# Altium PCB TestingPowerBoard.PcbDoc (continued)
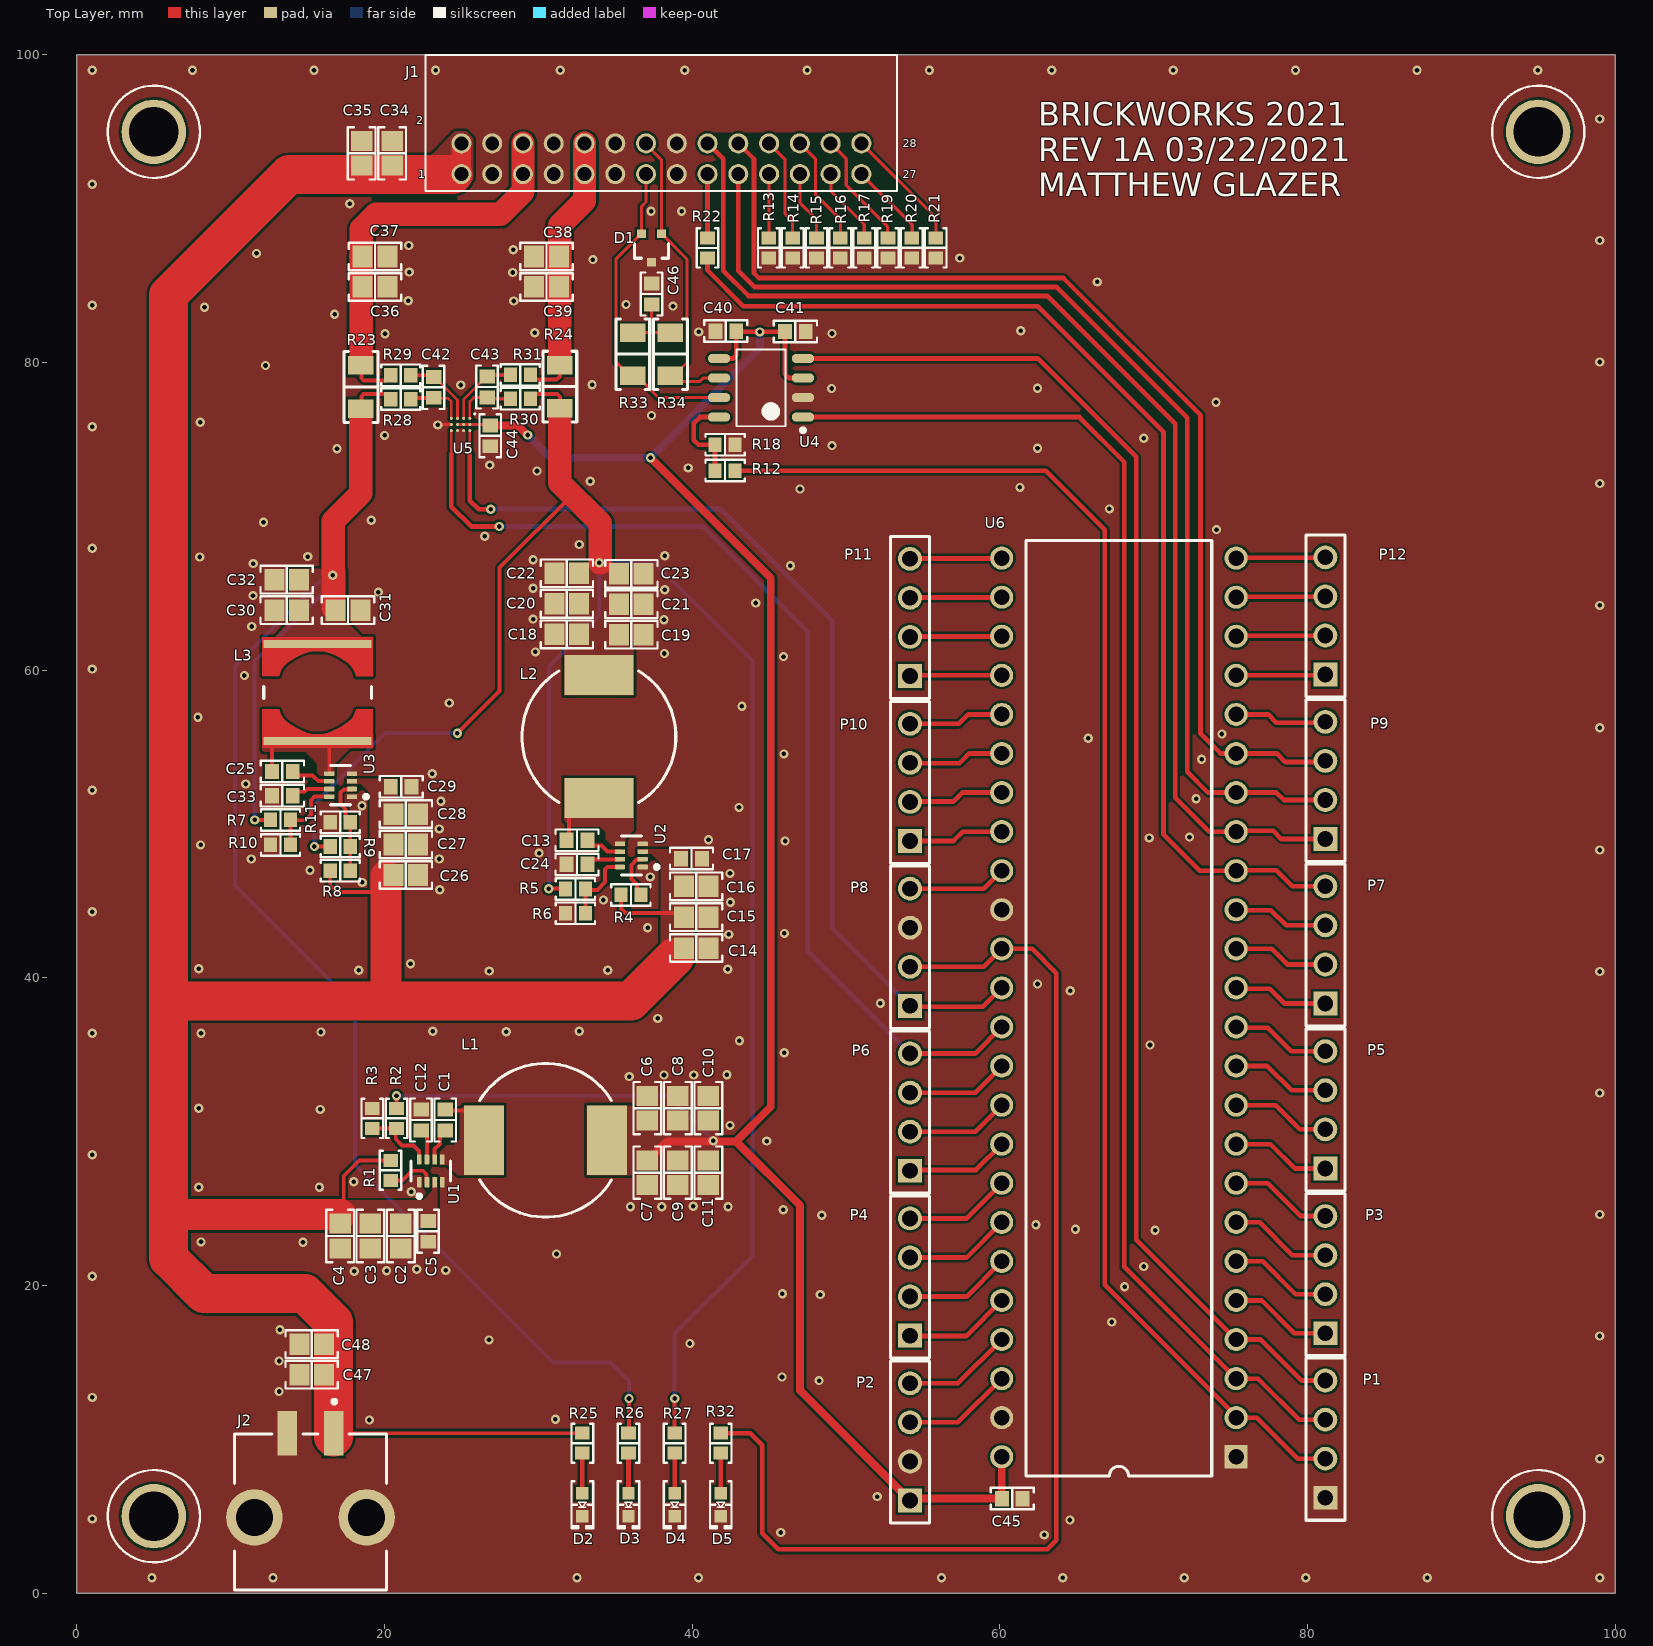
[diagram p0: Top Layer view]
## Footprints (in the part's own frame and the unit in brackets; to place one, negate y for a bottom-side part, rotate by r counter-clockwise, add the part's x,y. Pads: shape width x height; smd on the part's side, far side on the other; paste and mask are expansions set on the pad) (continued)
  silkscreen extent -1.27,-0.7 1.27,0.7, body extent -0.8,-0.4 0.8,0.4, height 0.45
"RES 1206_3216" [mm] "Chip Resistor, 2-Leads, Body 3.13x1.55mm, IPC Medium Density"
  rect 1.2x1.65 smd: 1(-1.4,0) 2(1.4,0)
  silkscreen extent -2.3,-1.1 2.3,1.1, body extent -1.6,-0.8 1.6,0.8, height 0.6
SMTC-TSW-104-08-X-S [mm] ".025 SQ Post Terminal Strip Assembly, 1x4 Pins, Vertical, 2.54mm Pitch, Male"
  rect 1.55x1.55 hole 1.02: 1(0,0)
  round 1.55 hole 1.02: 2(2.54,0) 3(5.08,0) 4(7.62,0)
  silkscreen extent -1.46,-1.27 9.08,1.27, body extent -1.27,-1.27 8.89,1.27, height 8.38
"TAIYO YUDEN NR1005" [mm] "Power Inductor, 2-Leads,Taiyo Yuden, NR10050T100M"
  rect 2.6x4.5 smd: 1(-4,0) 2(4,0)
  silkscreen extent -4.28,-5 4.28,5, body extent -4.9,-5 4.9,5, height 5

## Part data
C1 C5 C13 C17 C25 C29 C44 C45: library part CL10B104KB8NNWC, "CAP CER 0.1UF 50V X7R 0603", Device Package="0603 (1608 Metric)", Manufacturer="Samsung Electro-Mechanics", Operating Temperature="-55°C ~ 125°C", Supplier Part Number 1=1276-1935-1-ND, Temperature Coefficient=X7R, Tolerance=±10%, Voltage - Rated=50V, Applications="General Purpose", Capacitance="0.1 µF", ComponentLink1Description=Datasheet, ComponentLink1URL=http://www.samsungsem.com/kr/support/product-search/mlcc/CL10B104KB8NNWC.jsp, ComponentLink2Description="DigiKey Link", ComponentLink2URL=https://www.digikey.com/en/products/detail/samsung-electro-mechanics/CL10B104KB8NNWC/3887593, LastUpdated="3/8/2022 9:16:52 PM", Lifecycle Status=Active, Minimum Order=1, Mounting Type="Surface Mount, MLCC", Package / Case="0603 (1608 Metric)", Packaging=CutTape, Part Number=CL10B104KB8NNWC, Part Status=Active, PartId=16078, Price=0.01, Series=CL, Size / Dimension="0.063\" L x 0.031\" W (1.60mm x 0.80mm)", Supplier 1=DigiKey, Thickness (Max)="0.035\" (0.90mm)"
C2 C3 C4 C6 C7 C8 C9 C10 C11 C14 C15 C16 C18 C19 C20 C21 C22 C23 C26 C27 C28 C30 C31 C32 C34 C35 C36 C37 C38 C39 C47 C48: library part CC0805KKX5R7BB106, "CAP CER 10UF 16V X5R 0805", Device Package="0805 (2012 Metric)", Manufacturer=Yageo, Operating Temperature="-55°C ~ 85°C", Supplier Part Number 1=311-1865-1-ND, Temperature Coefficient=X5R, Tolerance=±10%, Voltage - Rated=16V, Applications="General Purpose", Capacitance=10µF, ComponentLink1Description=Datasheet, ComponentLink1URL=https://www.yageo.com/upload/media/product/productsearch/datasheet/mlcc/UPY-GPHC_X5R_4V-to-50V_25.pdf, ComponentLink2Description="DigiKey Link", ComponentLink2URL=http://digikey.com/product-detail/en/yageo/CC0805KKX5R7BB106/311-1865-1-ND/5195767, LastUpdated="9/2/2020 1:04:30 AM", Lifecycle Status=Active, Minimum Order=1, Mounting Type="Surface Mount, MLCC", Package / Case="0805 (2012 Metric)", Packaging=TapeAndReel, Part Number=CC0805KKX5R7BB106, Part Status=Active, PartId=8867, Price=0.09, Series=CC, Size / Dimension="0.079\" L x 0.049\" W (2.00mm x 1.25mm)", Supplier 1=DigiKey, Thickness (Max)="0.057\" (1.45mm)"
C12 C24 C33: library part CC0603KRX7R8BB683, "CAP CER 0.068UF 25V X7R 0603", Device Package="0603 (1608 Metric)", Manufacturer=Yageo, Operating Temperature="-55°C ~ 125°C", Supplier Part Number 1=311-4091-1-ND, Temperature Coefficient=X7R, Tolerance=±10%, Voltage - Rated=25V, Applications="General Purpose", Capacitance="0.068 µF", ComponentLink1Description=Datasheet, ComponentLink1URL=https://www.yageo.com/upload/media/product/productsearch/datasheet/mlcc/UPY-GPHC_X7R_6.3V-to-50V_18.pdf, ComponentLink2Description="DigiKey Link", ComponentLink2URL=https://www.digikey.com/en/products/detail/yageo/CC0603KRX7R8BB683/5883792, LastUpdated="3/17/2022 8:26:41 AM", Lifecycle Status=Active, Minimum Order=1, Mounting Type="Surface Mount, MLCC", Package / Case="0603 (1608 Metric)", Packaging=TapeAndReel, Part Number=CC0603KRX7R8BB683, Part Status=Active, PartId=13821, Price=0.01, Series=CC, Size / Dimension="0.063\" L x 0.031\" W (1.60mm x 0.80mm)", Supplier 1=DigiKey, Thickness (Max)="0.035\" (0.90mm)"
C40 C41 C42 C43: library part CL10B104KA8WPNC, "CAP CER 0.1UF 25V X7R 0603", Device Package="0603 (1608 Metric)", Manufacturer="Samsung Electro-Mechanics", Operating Temperature="-55°C ~ 125°C", Ratings=AEC-Q200, Supplier Part Number 1=1276-6717-1-ND, Temperature Coefficient=X7R, Tolerance=±10%, Voltage - Rated=25V, Applications=Automotive, Capacitance=0.1µF, ComponentLink1Description=Datasheet, ComponentLink1URL=http://www.samsungsem.com/kr/support/product-search/mlcc/CL10B104KA8WPNC.jsp, ComponentLink2Description="DigiKey Link", ComponentLink2URL=http://digikey.com/product-detail/en/samsung-electro-mechanics/CL10B104KA8WPNC/1276-6717-1-ND/5961576, Features="Open Mode", LastUpdated="9/2/2020 1:03:30 AM", Lifecycle Status=Active, Minimum Order=1, Mounting Type="Surface Mount, MLCC", Package / Case="0603 (1608 Metric)", Packaging=TapeAndReel, Part Number=CL10B104KA8WPNC, Part Status=Active, PartId=5631, Price=0.02, Series=CL, Size / Dimension="0.063\" L x 0.031\" W (1.60mm x 0.80mm)", Supplier 1=DigiKey, Thickness (Max)="0.035\" (0.90mm)"
C46: library part VJ0603Y472KXACW1BC, "CAP CER 4700PF 50V X7R 0603", Device Package="0603 (1608 Metric)", Manufacturer="Vishay Vitramon", Operating Temperature="-55°C ~ 125°C", Supplier Part Number 1=720-1530-1-ND, Temperature Coefficient=X7R, Tolerance=±10%, Voltage - Rated=50V, Applications="General Purpose", Capacitance=4700pF, ComponentLink1Description=Datasheet, ComponentLink1URL=https://www.vishay.com/docs/28548/vjw1bcbascomseries.pdf, ComponentLink2Description="DigiKey Link", ComponentLink2URL=http://digikey.com/product-detail/en/vishay-vitramon/VJ0603Y472KXACW1BC/720-1530-1-ND/421007, LastUpdated="9/2/2020 1:03:13 AM", Lifecycle Status=Active, Minimum Order=1, Mounting Type="Surface Mount, MLCC", Package / Case="0603 (1608 Metric)", Packaging=TapeAndReel, Part Number=VJ0603Y472KXACW1BC, Part Status=Active, PartId=14247, Price=0.01, Series=VJ, Size / Dimension="0.063\" L x 0.031\" W (1.60mm x 0.80mm)", Supplier 1=DigiKey, Thickness (Max)="0.035\" (0.90mm)"
D1: library part CMP-14436-000006-1, "TVS DIODE 24V 50V SC70-3"
D2 D3 D4 D5: library part LTST-C193KGKT-5A, "LED GREEN CLEAR CHIP SMD", Current - Test=5mA, Device Package="0603 (1608 Metric)", Lens Color=Colorless, Manufacturer="Lite-On Inc.", Millicandela Rating=16.25mcd, Supplier Device Package="Chip LED", Supplier Part Number 1=160-1828-1-ND, Voltage - Forward (Vf) (Typ)=2V, Color=Green, ComponentLink1Description=Datasheet, ComponentLink1URL=http://optoelectronics.liteon.com/upload/download/DS22-2007-0094/LTST-C193KGKT-5A.PDF, ComponentLink2Description="DigiKey Link", ComponentLink2URL=http://digikey.com/product-detail/en/lite-on-inc/LTST-C193KGKT-5A/160-1828-1-ND/2356247, Configuration=Standard, Height (Max)=0.45mm, LastUpdated="9/2/2020 1:20:41 AM", Lens Size="1.15mm x 0.80mm", Lens Style="Rectangle with Flat Top", Lens Transparency=Clear, Lifecycle Status=Active, Minimum Order=1, Mounting Type="Surface Mount", Package / Case="0603 (1608 Metric)", Packaging=TapeAndReel, Part Number=LTST-C193KGKT-5A, Part Status=Active, PartId=694, Price=0.06, Series=-, Size / Dimension="1.60mm L x 0.80mm W", Supplier 1=DigiKey, Viewing Angle=130°, Wavelength - Dominant=572nm, Wavelength - Peak=574nm
J1: Supplier Part Number 1=WM20552-ND, Supplier 1=Digi-Key
J2: library part CMP-04776-000082-1, "CONN HEADER SMD R/A 2POS 3MM", Current Rating=8.5A, Manufacturer=Molex, Temperature="-40°C to +105°C", Temperature Range High=+105°C, Temperature Range Low=-40°C, Voltage Rating=600V, Automotive=No, Category=Conn, ComponentLink2Description=Datasheet, ComponentLink2URL=https://www.molex.com/webdocs/datasheets/pdf/en-us/0436500210_PCB_HEADERS.pdf, Conn Gender=Male, Conn Orientation="Right Angle", Contact Material=Gold,Nickel, Device Class L1=Connectors, Device Class L2="Headers and Wire Housings", Device Class L3=unset, Digikey Description="CONN HEADER SMD R/A 2POS 3MM", Footprint Url=https://www.molex.com/pdm_docs/sd/436500210_sd.pdf, Height=6.07mm, Lead Free=Yes, Manufacturer Part Number=436500210, Mouser Description="Conn Power HDR 2 POS 3mm Solder RA SMD 2 Terminal 1 Port Embossed T/R", Number of Contacts=2, Number of Rows=1, Octopart=https://octopart.com/43650-0210-molex-298097, Package=436500210, Pitch=3mm, RoHS=TRUE
L1 L2: library part NR10050T6R5N, "FIXED IND 6.5UH 5.2A 23.4MOHM SM", Current - Saturation=6A, Current Rating (Amps)="5.2 A", DC Resistance (DCR)="23.4mOhm Max", Device Package=Nonstandard, Frequency - Self Resonant=19MHz, Inductance Frequency - Test="100 kHz", Manufacturer="Taiyo Yuden", Operating Temperature="-25°C ~ 105°C", Supplier Part Number 1=587-1697-1-ND, Tolerance=±30%, ComponentLink1Description=Datasheet, ComponentLink1URL="https://ds.yuden.co.jp/TYCOMPAS/ut/detail?pn=NR10050T6R5N  &u=M", ComponentLink2Description="DigiKey Link", ComponentLink2URL=https://www.digikey.com/en/products/detail/taiyo-yuden/NR10050T6R5N/1007971, Height - Seated (Max)="0.197\" (5.00mm)", Inductance="6.5 µH", LastUpdated="3/17/2022 9:14:25 AM", Lifecycle Status=Active, Material - Core=Ferrite, Minimum Order=1, Mounting Type="Surface Mount", Package / Case=Nonstandard, Packaging=TapeAndReel, Part Number=NR10050T6R5N, Part Status=Active, PartId=3626, Price=0.51, Series=NR, Shielding=Shielded, Size / Dimension="0.394\" L x 0.386\" W (10.00mm x 9.80mm)", Supplier 1=DigiKey, Type=Wirewound
L3: library part SRR6028-8R6Y, "FIXED IND 8.6UH 2.1A 56 MOHM SMD", Current - Saturation=1.82A, Current Rating (Amps)="2.1 A", DC Resistance (DCR)="56mOhm Max", Device Package=Nonstandard, Frequency - Self Resonant=28MHz, Inductance Frequency - Test="100 kHz", Manufacturer="Bourns Inc.", Operating Temperature="-40°C ~ 125°C", Q @ Freq="8 @ 2.52MHz", Supplier Part Number 1=SRR6028-8R6YCT-ND, Tolerance=±30%, ComponentLink1Description=Datasheet, ComponentLink1URL=https://www.bourns.com/docs/Product-Datasheets/SRR6028.pdf, ComponentLink2Description="DigiKey Link", ComponentLink2URL=https://www.digikey.com/en/products/detail/bourns-inc/SRR6028-8R6Y/1970374, Height - Seated (Max)="0.118\" (3.00mm)", Inductance="8.6 µH", LastUpdated="3/17/2022 9:03:42 AM", Lifecycle Status=Active, Material - Core=Ferrite, Minimum Order=1, Mounting Type="Surface Mount", Package / Case=Nonstandard, Packaging=TapeAndReel, Part Number=SRR6028-8R6Y, Part Status=Active, PartId=46, Price=0.45, Series=SRR6028, Shielding=Shielded, Size / Dimension="0.268\" L x 0.268\" W (6.80mm x 6.80mm)", Supplier 1=DigiKey, Type=Wirewound
P1 P2 P3 P4 P5 P6 P7 P8 P9 P10 P11 P12: library part CMP-1024-00358-1, "0.025\" SQ Post Header, Through-hole, Vertical, -55 to 125 degC, 2.54 mm Pitch, 4-Pin, Male, RoHS", Manufacturer=Samtec, Temperature Range="-55 to 125 degC", ComponentLink1Description="Manufacturer URL", ComponentLink1URL=http://www.samtec.com, ComponentLink2Description=Datasheet, ComponentLink2URL=http://www.samtec.com/documents/webfiles/pdf/TSW_TH.PDF, ComponentLink3Description="Package Specification", ComponentLink3URL=http://www.samtec.com/documents/webfiles/cpdf/TSW-XXX-XX-XXX-X-XX-XXX-MKT.pdf, DatasheetVersion=F-214, Mounting Technology=Through-hole, Orientation=Vertical, PackageDescription=".025[0.64] SQ. Post Terminal Strip Assembly", PackageReference=TSW-104-08-X-S, PackageVersion="DM, 8/1988", PartNumber=TSW-104-08-L-S, Pitch="2.54 mm", RoHS=True
R1 R3 R4 R6 R8 R10 R13 R14 R15 R16 R17 R18 R19 R20 R21: library part RMCF0603JT10K0, "RES 10K OHM 5% 1/10W 0603", Device Package="0603 (1608 Metric)", Manufacturer="Stackpole Electronics Inc", Operating Temperature="-55°C ~ 155°C", Power (Watts)="0.1W, 1/10W", Ratings=AEC-Q200, Supplier Device Package=0603, Supplier Part Number 1=RMCF0603JT10K0CT-ND, Temperature Coefficient=±200ppm/°C, Tolerance=±5%, ComponentLink1Description=Datasheet, ComponentLink1URL=https://www.seielect.com/catalog/sei-packaging.pdf, ComponentLink2Description="DigiKey Link", ComponentLink2URL=http://digikey.com/product-detail/en/stackpole-electronics-inc/RMCF0603JT10K0/RMCF0603JT10K0CT-ND/1943191, Composition="Thick Film", Features="Automotive AEC-Q200", Height - Seated (Max)="0.022\" (0.55mm)", LastUpdated="8/30/2020 8:48:45 PM", Lifecycle Status=Active, Minimum Order=1, Number of Terminations=2, Package / Case="0603 (1608 Metric)", Packaging=CutTape, Part Number=RMCF0603JT10K0, Part Status=Active, PartId=25659, Price=0.10, Resistance="10 kOhms", Series=RMCF, Size / Dimension="0.061\" L x 0.031\" W (1.55mm x 0.80mm)", Supplier 1=DigiKey
R2 R5: library part RMCF0603FT52K3, "RES 52.3K OHM 1% 1/10W 0603", Device Package="0603 (1608 Metric)", Manufacturer="Stackpole Electronics Inc", Operating Temperature="-55°C ~ 155°C", Power (Watts)="0.1W, 1/10W", Ratings=AEC-Q200, Supplier Device Package=0603, Supplier Part Number 1=RMCF0603FT52K3CT-ND, Temperature Coefficient=±100ppm/°C, Tolerance=±1%, ComponentLink1Description=Datasheet, ComponentLink1URL=https://www.seielect.com/catalog/sei-rmcf_rmcp.pdf, ComponentLink2Description="DigiKey Link", ComponentLink2URL=https://www.digikey.com/en/products/detail/stackpole-electronics-inc/RMCF0603FT52K3/1714113, Composition="Thick Film", Features="Automotive AEC-Q200", Height - Seated (Max)="0.022\" (0.55mm)", LastUpdated="3/17/2022 8:41:15 AM", Lifecycle Status=Active, Minimum Order=1, Number of Terminations=2, Package / Case="0603 (1608 Metric)", Packaging=CutTape, Part Number=RMCF0603FT52K3, Part Status=Active, PartId=26555, Price=0.01, Resistance="52.3 kOhms", Series=RMCF, Size / Dimension="0.061\" L x 0.031\" W (1.55mm x 0.80mm)", Supplier 1=DigiKey
R7: library part RMCF0603FT140K, "RES 140K OHM 1% 1/10W 0603", Device Package="0603 (1608 Metric)", Manufacturer="Stackpole Electronics Inc", Operating Temperature="-55°C ~ 155°C", Power (Watts)="0.1W, 1/10W", Ratings=AEC-Q200, Supplier Device Package=0603, Supplier Part Number 1=RMCF0603FT140KCT-ND, Temperature Coefficient=±100ppm/°C, Tolerance=±1%, ComponentLink1Description=Datasheet, ComponentLink1URL=https://www.seielect.com/catalog/sei-packaging.pdf, ComponentLink2Description="DigiKey Link", ComponentLink2URL=https://www.digikey.com/en/products/detail/stackpole-electronics-inc/RMCF0603FT140K/1761303, Composition="Thick Film", Features="Automotive AEC-Q200", Height - Seated (Max)="0.022\" (0.55mm)", LastUpdated="3/17/2022 8:42:10 AM", Lifecycle Status=Active, Minimum Order=1, Number of Terminations=2, Package / Case="0603 (1608 Metric)", Packaging=CutTape, Part Number=RMCF0603FT140K, Part Status=Active, PartId=10763, Price=0.01, Resistance="140 kOhms", Series=RMCF, Size / Dimension="0.061\" L x 0.031\" W (1.55mm x 0.80mm)", Supplier 1=DigiKey
R9: library part RMCF0603FT604K, "RES 604K OHM 1% 1/10W 0603", Device Package="0603 (1608 Metric)", Manufacturer="Stackpole Electronics Inc", Operating Temperature="-55°C ~ 155°C", Power (Watts)="0.1W, 1/10W", Ratings=AEC-Q200, Supplier Device Package=0603, Supplier Part Number 1=RMCF0603FT604KCT-ND, Temperature Coefficient=±100ppm/°C, Tolerance=±1%, ComponentLink1Description=Datasheet, ComponentLink1URL=https://www.seielect.com/catalog/sei-packaging.pdf, ComponentLink2Description="DigiKey Link", ComponentLink2URL=https://www.digikey.com/en/products/detail/stackpole-electronics-inc/RMCF0603FT604K/1714165, Composition="Thick Film", Features="Automotive AEC-Q200", Height - Seated (Max)="0.022\" (0.55mm)", LastUpdated="3/17/2022 8:41:50 AM", Lifecycle Status=Active, Minimum Order=1, Number of Terminations=2, Package / Case="0603 (1608 Metric)", Packaging=CutTape, Part Number=RMCF0603FT604K, Part Status=Active, PartId=18486, Price=0.01, Resistance="604 kOhms", Series=RMCF, Size / Dimension="0.061\" L x 0.031\" W (1.55mm x 0.80mm)", Supplier 1=DigiKey
R11: library part RMCF0603FT196K, "RES 196K OHM 1% 1/10W 0603", Device Package="0603 (1608 Metric)", Manufacturer="Stackpole Electronics Inc", Operating Temperature="-55°C ~ 155°C", Power (Watts)="0.1W, 1/10W", Ratings=AEC-Q200, Supplier Device Package=0603, Supplier Part Number 1=RMCF0603FT196KCT-ND, Temperature Coefficient=±100ppm/°C, Tolerance=±1%, ComponentLink1Description=Datasheet, ComponentLink1URL=https://www.seielect.com/catalog/sei-rmcf_rmcp.pdf, ComponentLink2Description="DigiKey Link", ComponentLink2URL=https://www.digikey.com/en/products/detail/stackpole-electronics-inc/RMCF0603FT196K/1761087, Composition="Thick Film", Features="Automotive AEC-Q200", Height - Seated (Max)="0.022\" (0.55mm)", LastUpdated="3/17/2022 8:42:07 AM", Lifecycle Status=Active, Minimum Order=1, Number of Terminations=2, Package / Case="0603 (1608 Metric)", Packaging=CutTape, Part Number=RMCF0603FT196K, Part Status=Active, PartId=11666, Price=0.01, Resistance="196 kOhms", Series=RMCF, Size / Dimension="0.061\" L x 0.031\" W (1.55mm x 0.80mm)", Supplier 1=DigiKey
R12: library part RMCF0603FG100R, "RES 100 OHM 1% 1/10W 0603", Device Package="0603 (1608 Metric)", Manufacturer="Stackpole Electronics Inc", Operating Temperature="-55°C ~ 155°C", Power (Watts)="0.1W, 1/10W", Ratings=AEC-Q200, Supplier Device Package=0603, Supplier Part Number 1=RMCF0603FG100RCT-ND, Temperature Coefficient=±100ppm/°C, Tolerance=±1%, ComponentLink1Description=Datasheet, ComponentLink1URL=https://www.seielect.com/catalog/sei-rmcf_rmcp.pdf, ComponentLink2Description="DigiKey Link", ComponentLink2URL=http://digikey.com/product-detail/en/stackpole-electronics-inc/RMCF0603FG100R/RMCF0603FG100RCT-ND/4425033, Composition="Thick Film", Features="Automotive AEC-Q200", Height - Seated (Max)="0.022\" (0.55mm)", LastUpdated="9/2/2020 1:09:39 AM", Lifecycle Status=Active, Minimum Order=1, Number of Terminations=2, Package / Case="0603 (1608 Metric)", Packaging=CutTape, Part Number=RMCF0603FG100R, Part Status=Active, PartId=24036, Price=0.10, Resistance="100 Ohms", Series=RMCF, Size / Dimension="0.061\" L x 0.031\" W (1.55mm x 0.80mm)", Supplier 1=DigiKey
R22: library part RMCF0603ZT0R00, "RES 0 OHM JUMPER 1/10W 0603", Device Package="0603 (1608 Metric)", Manufacturer="Stackpole Electronics Inc", Operating Temperature="-55°C ~ 155°C", Power (Watts)="0.1W, 1/10W", Ratings=AEC-Q200, Supplier Device Package=0603, Supplier Part Number 1=RMCF0603ZT0R00CT-ND, Tolerance=Jumper, ComponentLink1Description=Datasheet, ComponentLink1URL=https://www.seielect.com/catalog/sei-rmcf_rmcp.pdf, ComponentLink2Description="DigiKey Link", ComponentLink2URL=http://digikey.com/product-detail/en/stackpole-electronics-inc/RMCF0603ZT0R00/RMCF0603ZT0R00CT-ND/1943218, Composition="Thick Film", Features="Automotive AEC-Q200", Height - Seated (Max)="0.022\" (0.55mm)", LastUpdated="9/2/2020 1:09:45 AM", Lifecycle Status=Active, Minimum Order=1, Number of Terminations=2, Package / Case="0603 (1608 Metric)", Packaging=CutTape, Part Number=RMCF0603ZT0R00, Part Status=Active, PartId=22613, Price=0.10, Resistance="0 Ohms", Series=RMCF, Size / Dimension="0.061\" L x 0.031\" W (1.55mm x 0.80mm)", Supplier 1=DigiKey
R23 R24: library part L4T12FR015FER, "RES 0.015 OHM 1% 1/2W 1206", Device Package="1206 (3216 Metric)", Manufacturer=Ohmite, Operating Temperature="-55°C ~ 155°C", Power (Watts)="0.5W, 1/2W", Supplier Device Package=1206, Supplier Part Number 1=273-L4T12FR015FERCT-ND, Temperature Coefficient=±75ppm/°C, Tolerance=±1%, ComponentLink1Description=Datasheet, ComponentLink1URL=https://www.ohmite.com/assets/docs/acl_l4t.pdf, ComponentLink2Description="DigiKey Link", ComponentLink2URL=https://www.digikey.com/en/products/detail/ohmite/L4T12FR015FER/10385194, Composition="Thick Film", Features="Current Sense", Height - Seated (Max)="0.026\" (0.65mm)", LastUpdated="3/17/2022 8:47:48 AM", Lifecycle Status=Active, Minimum Order=1, Number of Terminations=4, Package / Case="1206 (3216 Metric)", Packaging=TapeAndReel, Part Number=L4T12FR015FER, Part Status=Active, PartId=28335, Price=0.07, Resistance="15 mOhms", Series=L4T12, Size / Dimension="0.118\" L x 0.063\" W (3.00mm x 1.60mm)", Supplier 1=DigiKey
R25: library part RMCF0603FT3K30, "RES 3.3K OHM 1% 1/10W 0603", Device Package="0603 (1608 Metric)", Manufacturer="Stackpole Electronics Inc", Operating Temperature="-55°C ~ 155°C", Power (Watts)="0.1W, 1/10W", Ratings=AEC-Q200, Supplier Device Package=0603, Supplier Part Number 1=RMCF0603FT3K30CT-ND, Temperature Coefficient=±100ppm/°C, Tolerance=±1%, ComponentLink1Description=Datasheet, ComponentLink1URL=https://www.seielect.com/catalog/sei-rmcf_rmcp.pdf, ComponentLink2Description="DigiKey Link", ComponentLink2URL=https://www.digikey.com/en/products/detail/stackpole-electronics-inc/RMCF0603FT3K30/1761032, Composition="Thick Film", Features="Automotive AEC-Q200", Height - Seated (Max)="0.022\" (0.55mm)", LastUpdated="3/17/2022 8:42:21 AM", Lifecycle Status=Active, Minimum Order=1, Number of Terminations=2, Package / Case="0603 (1608 Metric)", Packaging=CutTape, Part Number=RMCF0603FT3K30, Part Status=Active, PartId=6090, Price=0.01, Resistance="3.3 kOhms", Series=RMCF, Size / Dimension="0.061\" L x 0.031\" W (1.55mm x 0.80mm)", Supplier 1=DigiKey
R26: library part RNCP0603FTD2K00, "RES 2K OHM 1% 1/8W 0603", Device Package="0603 (1608 Metric)", Manufacturer="Stackpole Electronics Inc", Operating Temperature="-55°C ~ 155°C", Power (Watts)="0.125W, 1/8W", Supplier Device Package=0603, Supplier Part Number 1=RNCP0603FTD2K00CT-ND, Temperature Coefficient=±100ppm/°C, Tolerance=±1%, ComponentLink1Description=Datasheet, ComponentLink1URL=https://www.seielect.com/catalog/sei-rncp.pdf, ComponentLink2Description="DigiKey Link", ComponentLink2URL=https://www.digikey.com/en/products/detail/stackpole-electronics-inc/RNCP0603FTD2K00/2240114, Composition="Thin Film", Features=Anti-Sulfur, Height - Seated (Max)="0.022\" (0.55mm)", LastUpdated="3/17/2022 8:42:12 AM", Lifecycle Status=Active, Minimum Order=1, Number of Terminations=2, Package / Case="0603 (1608 Metric)", Packaging=TapeAndReel, Part Number=RNCP0603FTD2K00, Part Status=Active, PartId=9714, Price=0.01, Resistance="2 kOhms", Series=RNCP, Size / Dimension="0.061\" L x 0.031\" W (1.55mm x 0.80mm)", Supplier 1=DigiKey
R27 R32: library part RMCF0603FT590R, "RES 590 OHM 1% 1/10W 0603", Device Package="0603 (1608 Metric)", Manufacturer="Stackpole Electronics Inc", Operating Temperature="-55°C ~ 155°C", Power (Watts)="0.1W, 1/10W", Ratings=AEC-Q200, Supplier Device Package=0603, Supplier Part Number 1=RMCF0603FT590RCT-ND, Temperature Coefficient=±100ppm/°C, Tolerance=±1%, ComponentLink1Description=Datasheet, ComponentLink1URL=https://www.seielect.com/catalog/sei-rmcf_rmcp.pdf, ComponentLink2Description="DigiKey Link", ComponentLink2URL=http://digikey.com/product-detail/en/stackpole-electronics-inc/RMCF0603FT590R/RMCF0603FT590RCT-ND/2418096, Composition="Thick Film", Features="Automotive AEC-Q200", Height - Seated (Max)="0.022\" (0.55mm)", LastUpdated="9/2/2020 1:09:40 AM", Lifecycle Status=Active, Minimum Order=1, Number of Terminations=2, Package / Case="0603 (1608 Metric)", Packaging=CutTape, Part Number=RMCF0603FT590R, Part Status=Active, PartId=23847, Price=0.10, Resistance="590 Ohms", Series=RMCF, Size / Dimension="0.061\" L x 0.031\" W (1.55mm x 0.80mm)", Supplier 1=DigiKey
R28 R29 R30 R31: library part CRGCQ0603F10R, "CRGCQ 0603 10R 1%", Device Package="0603 (1608 Metric)", Manufacturer="TE Connectivity Passive Product", Operating Temperature="-55°C ~ 155°C", Power (Watts)="0.1W, 1/10W", Ratings=AEC-Q200, Supplier Device Package=0603, Supplier Part Number 1=A129664CT-ND, Temperature Coefficient=±400ppm/°C, Tolerance=±1%, ComponentLink1Description=Datasheet, ComponentLink1URL=https://www.te.com/commerce/DocumentDelivery/DDEController?Action=srchrtrv&DocNm=1773204-3&DocType=DS&DocLang=English, ComponentLink2Description="DigiKey Link", ComponentLink2URL=http://digikey.com/product-detail/en/te-connectivity-passive-product/CRGCQ0603F10R/A129664CT-ND/8577496, Composition="Thick Film", Features="Automotive AEC-Q200, Moisture Resistant", Height - Seated (Max)="0.022\" (0.55mm)", LastUpdated="9/2/2020 1:09:39 AM", Lifecycle Status=Active, Minimum Order=1, Number of Terminations=2, Package / Case="0603 (1608 Metric)", Packaging=CutTape, Part Number=CRGCQ0603F10R, Part Status=Active, PartId=23975, Price=0.10, Resistance="10 Ohms", Series=CRGCQ, Size / Dimension="0.063\" L x 0.031\" W (1.60mm x 0.80mm)", Supplier 1=DigiKey
R33 R34: library part ESR18EZPF60R4, "RES SMD 60.4 OHM 1% 1/2W 1206", Device Package="1206 (3216 Metric)", Manufacturer="Rohm Semiconductor", Operating Temperature="-55°C ~ 155°C", Power (Watts)="0.5W, 1/2W", Ratings=AEC-Q200, Supplier Device Package=1206, Supplier Part Number 1=RHM60.4AFCT-ND, Temperature Coefficient=±100ppm/°C, Tolerance=±1%, ComponentLink1Description=Datasheet, ComponentLink1URL=https://www.rohm.com/datasheet/ESR01MZPF/esr-e, ComponentLink2Description="DigiKey Link", ComponentLink2URL=http://digikey.com/product-detail/en/rohm-semiconductor/ESR18EZPF60R4/RHM60.4AFCT-ND/1983938, Composition="Thick Film", Features="Automotive AEC-Q200, Pulse Withstanding", Height - Seated (Max)="0.026\" (0.65mm)", LastUpdated="9/2/2020 1:12:41 AM", Lifecycle Status=Active, Minimum Order=1, Number of Terminations=2, Package / Case="1206 (3216 Metric)", Packaging=TapeAndReel, Part Number=ESR18EZPF60R4, Part Status=Active, PartId=38901, Price=0.02, Resistance="60.4 Ohms", Series=ESR, Size / Dimension="0.126\" L x 0.063\" W (3.20mm x 1.60mm)", Supplier 1=DigiKey
U1 U2 U3: library part CMP-04918-000610-1, "3.8-V to 30-V, 3-A, 200-kHz to 2.2-MHz, low-IQ synchronous buck converter in SOT-583 package 8-SOT-5X3 -40 to 150"
U4: Supplier Part Number 1=296-44228-1-ND, Supplier 1=Digi-Key

## Free pads (board coordinates)
  round 4.2 hole 3.2: 11(5,5) 11(5,95) 11(95,5) 11(95,95)

## Via types
v1: diameter 0.6, hole 0.3, Top Layer to Bottom Layer, 224 vias

## Nets (pads, with @x,y where several pads share a name; then routed paths per layer and width w, separated by ;. In a path a pad name is that pad's centre, name@x,y a point inside that pad or via, vN(x,y) a via of type N, cw(c..) or ccw(c..) an arc to the next point about the centre after c; other vN are vias at no path point)
+5_Supply: C18.2 C19.2 C20.2 C21.2 C22.2 C23.2 L2.2 R5.2 R9.2 R24.1 R27.2 R30.2 | length 135.8
  Top Layer w0.203: C19.2@35.36,62.299 C19.2@35.368,62.306
  Top Layer w0.254: v1(15.443,48.539) R9.2 ; v1(24.74,55.905) 27.483,58.649 27.483,66.675 32.207,71.399 ; R30.2 29.479,77.655 29.777,77.953 31.217,77.953 31.394,77.775 R24.1@31.394,77.089 ; v1(30.683,45.796) 31.735,45.796 R5.2 ; R27.2 R27.2 v1(38.862,12.649)
  Top Layer w1.524: R24.1@31.394,76.784 31.394,72.187 34.036,69.545 v1@34.036,66.98
  Bottom Layer w0.254: v1(15.443,48.539) 15.443,51.308 20.041,55.905 v1(24.74,55.905) ; v1(30.683,45.796) 30.683,60.249 33.96,63.525 v1(33.96,66.98) ; v1@33.985,66.929 34.036,66.98 37.567,66.98 43.917,60.63 43.917,21.92 38.862,16.866 v1(38.862,12.649)
+5_Supply_Sense: C38.2 C39.2 J1.9 J1.10 R24.2 R31.2 | length 17.4
  Top Layer w0.254: R31.2 29.479,79.19 29.777,78.892 31.191,78.892 31.394,79.096 R24.2@31.394,79.527
  Top Layer w1.524: C38.2@31.38,86.843 31.394,86.828 R24.2@31.394,80.035 ; C38.2@31.382,86.893 31.382,88.913 33,90.531 J1.9 J1.10
+5V: C6.2 C7.2 C8.2 C9.2 C10.2 C11.2 C40.2 C41.2 C44.1 C45.1 L1.2 P2.1 R2.2 U4.3 U4.5 U5.A2 U5.B2 U5.C2 U6.48 | length 148.6
  Top Layer w0.178: U5.C2 U5.B2 U5.A2 C44.1@26.873,75.971
  Top Layer w0.254: R2.2 v1(20.777,32.334)
  Top Layer w0.305: U4.5 42.672,80.264 42.875,80.467 42.875,81.89 C40.2@42.926,81.94 ; C40.2 42.915,81.991 v1(44.399,81.991) C41.2@46.036,81.991 ; C41.2@46.126,81.991 C41.2@46.036,81.991 ; U4.3@46.914,78.994 46.279,78.994 46.036,79.237 C41.2@46.036,81.991
  Top Layer w0.508: C44.1@26.924,76.022 27.036,75.91 28.663,75.91 29.287,75.286 v1(29.312,75.286) ; C7.2@36.932,28.27 37.274,28.27 38.366,29.362 42.85,29.362 ; v1(37.287,73.812) 45.11,65.989 45.11,31.623 42.85,29.362 ; P2.1@54.102,6.147 60.096,6.147 60.127,6.178 60.127,8.859 U6.48 ; P2.1 47.015,13.166 47.015,25.197 42.85,29.362
  Bottom Layer w0.254: v1(20.777,32.334) 38.456,32.334 v1(41.377,29.413)
  Bottom Layer w0.508: v1(29.312,75.286) 30.785,73.812 v1(37.287,73.812) 44.399,80.924 v1(44.399,81.991)
+12_Supply: C30.2 C31.2 C32.2 L3.2 R7.2 R23.1 R26.2 R28.2 | length 107.1
  Top Layer w0.254: v1(11.557,50.267) R7.2 ; R23.1@18.517,76.784 18.491,76.81 18.491,77.804 18.64,77.953 20.109,77.953 20.407,77.655 R28.2 ; R26.2@35.865,10.439 35.89,10.465 v1(35.89,12.649)
  Top Layer w1.524: C31.2@16.662,64.072 16.662,69.698 18.466,71.501 R23.1@18.466,76.81
  Bottom Layer w0.254: v1(11.557,50.267) 11.557,60.579 16.637,65.659 v1(16.637,66.167) ; v1@16.637,66.192 16.612,66.167 16.18,66.167 10.287,60.274 10.287,45.999 18.085,38.202 18.085,27.864 30.963,14.986 34.696,14.986 35.89,13.792 v1(35.89,12.649)
+12_Supply_Sense: C36.2 C37.2 J1.5 J1.6 R23.2 R29.2 | length 25.9
  Top Layer w0.254: R23.2@18.466,79.324 18.491,79.299 18.491,78.99 18.64,78.842 20.109,78.842 20.407,79.14 R29.2
  Top Layer w1.524: C37.2@18.466,86.919 18.472,86.912 18.472,86.893 R23.2@18.472,80.035 ; C37.2@18.491,86.843 18.494,86.845 18.494,88.699 19.431,89.637 27.534,89.637 29,91.103 J1.5 J1.6 J1.6@29.003,94.247
+ShorePower: C2.2 C3.2 C4.2 C5.1 C14.2 C15.2 C16.2 C17.1 C26.2 C27.2 C28.2 C29.1 C34.2 C35.2 C47.2 C48.2 J1.1 J1.2 J2.1 R1.1 R4.1 R8.2 R25.2 U1.3 U2.3 U3.3 | length 192.9
  Top Layer w0.254: R8.2 16.47,45.989 16.891,45.568 19.38,45.568 19.826,46.014 19.965,46.014 20.091,46.14 20.599,46.648 C26.2@20.599,46.66 ; J2.1 32.785,10.395 R25.2@32.791,10.389 ; C4.2@17.348,24.333 17.348,27.127 18.354,28.133 R1.1 ; R4.1@35.665,45.688 R4.1 35.367,44.516 35.662,44.221 39.04,44.221 C15.2@39.192,44.374
  Top Layer w1.27: 6.045,23.774 6.286,24.016 ; J1.1@24.994,92.304 24.994,94.244 J1.2 J1.2@25.006,94.244 ; J1.1@25.006,92.291 J1.1@25.019,92.278
  Top Layer w2.032: 6.121,24.613 C4.2@17.12,24.613 ; 20.091,38.506 20.091,46.14 C26.2@20.091,46.609
  Top Layer w2.54: 6.121,24.613 5.969,24.765 ; J2.1@16.688,10.16 C48.2@16.688,15.621 ; C48.2@16.688,16.111 16.688,17.611 14.817,19.482 8.255,19.482 5.969,21.768 5.969,24.765 ; J1.1@24.46,92.215 13.78,92.215 5.969,84.404 5.969,38.506 ; C14.2@38.856,41.332 36.03,38.506 20.091,38.506 5.969,38.506 ; 5.969,24.765 5.969,38.506
GND: C2.1 C3.1 C4.1 C5.2 C6.1 C7.1 C8.1 C9.1 C10.1 C11.1 C12.1 C14.1 C15.1 C16.1 C17.2 C18.1 C19.1 C20.1 C21.1 C22.1 C23.1 C24.1 C26.1 C27.1 C28.1 C29.2 C30.1 C31.1 C32.1 C33.1 C34.1 C35.1 C36.1 C37.1 C38.1 C39.1 C40.1 C41.1 C44.2 C45.2 C46.2 C47.1 C48.1 D1.3 D2.2 D3.2 D4.2 D5.2 J1.3 J1.4 J1.7 J1.8 J1.11 J1.12 J1.15 J1.16 J2.2 J2.3 J2.4 P1.1 P2.2 P8.3 R3.1 R6.1 R10.1 R11.1 R13.2 R14.2 R15.2 R16.2 R17.2 R18.1 R19.2 R20.2 R21.2 U1.1 U1.4 U2.1 U2.4 U3.1 U3.4 U4.2 U5.B3 U5.C3 U5.D2 U6.1 U6.34 U6.47 | length 0.9
  Top Layer w0.203: v1@23.52,75.946 23.546,75.971 U5.D2 ; J1.15@38.964,92.354 J1.15@38.989,92.38
  other v1: 4.877,1 12.751,1 32.512,1 40.411,1 56.21,1 64.084,1 71.984,1 79.883,1 87.782,1 99,1 62.881,3.785 45.762,3.937 64.558,4.75 1,4.826 52.035,6.274 99,8.738 19.015,11.252 31.106,11.303 1,12.725 13.148,13.106 48.251,13.818 45.838,14.046 13.148,15.088 39.853,16.231 26.788,16.459 99,16.713 13.199,17.12 67.275,17.628 48.327,19.406 45.863,19.456 68.114,19.914 1,20.599 18.025,20.93 20.133,20.955 23.978,20.98 22.089,21.057 69.358,21.234 31.182,22.047 14.697,22.809 8.068,22.835 70.095,23.597 64.913,23.647 62.348,23.952 48.429,24.562 99,24.613 45.914,24.917 35.983,25.121 38.015,25.121 42.333,25.121 40.072,25.146 21.733,26.086 7.916,26.391 15.764,26.391 17.999,26.746 1,28.499 44.847,29.388 42.46,30.404 15.815,31.445 7.916,31.521 99,32.512 35.906,33.579 38.167,33.68 40.097,33.68 42.256,33.706 45.99,35.128 69.765,35.636 43.069,35.916 1,36.398 8.068,36.398 15.866,36.474 27.905,36.5 23.13,36.525 32.655,36.525 37.761,37.363 52.239,38.354 64.583,39.167 62.449,39.599 99,40.411 26.813,40.437 18.33,40.488 34.509,40.488 42.307,40.564 7.916,40.589 21.692,40.919 42.383,42.824 45.994,42.889 37.1,43.256 1,44.298 42.485,44.907 34.23,45.06 23.587,45.72 18.558,46.203 37.278,46.558 42.46,46.787 15.155,46.99 11.328,47.727 23.562,47.727 30.048,48.108 99,48.311 8.043,48.641 46.041,48.895 41.063,48.971 69.714,49.098 72.33,49.149 23.562,49.682 43.044,51.079 18.533,51.181 23.664,51.486 72.762,51.638 1,52.197 10.973,52.603 23.105,53.264 73.117,54.204 45.965,54.559 65.751,55.575 74.438,55.855 99,56.261 7.865,56.947 43.231,57.658 24.202,57.869 10.888,59.655 1,60.071 45.939,60.884 38.192,61.087 29.81,61.189 11.37,62.84 38.167,63.271 29.658,63.322 99,64.211 44.136,64.364 11.446,64.846 19.6,65.075 38.218,65.227 29.658,65.329 46.384,66.79 11.472,66.929 29.658,67.183 7.992,67.361 15.002,67.386 38.218,67.437 1,67.92 32.655,68.174 26.518,68.707 74.083,69.139 12.132,69.621 19.142,69.748 67.123,70.485 47.006,71.78 61.306,71.882 99,72.136 33.366,72.288 29.912,72.949 39.742,73.152 26.839,73.33 16.907,74.397 62.449,74.422 49.089,74.6 69.358,75.082 20.006,75.26 1,75.819 23.46,75.946 8.017,76.124 37.354,76.556 74.057,77.419 49.064,78.308 62.449,78.334 24.959,78.537 33.493,78.562 12.259,79.807 99,80.035 20.031,81.864 49.089,81.89 29.76,81.94 40.428,81.991 61.357,82.067 16.755,83.134 8.297,83.591 38.751,83.668 1,83.718 35.703,83.769 28.397,83.998 21.539,84.023 66.336,85.242 28.337,85.852 21.606,85.877 33.544,86.69 57.395,86.792 11.675,87.097 28.363,87.325 21.581,87.605 99,87.935 37.329,89.84 39.31,89.84 17.745,90.322 1,91.592 99,95.834 1,99 7.518,99 15.418,99 23.317,99 31.42,99 39.522,99 47.473,99 55.423,99 63.373,99 71.272,99 79.223,99 87.122,99 94.971,99
NetC1_1: C1.1 L1.1 U1.5 | length 2.2
  Top Layer w0.254: C1.1 24.018,31.369 L1.1@26.137,31.369
NetC1_2: C1.2 U1.6 | length 2
  Top Layer w0.254: U1.6 23.258,28.872 23.597,29.21 23.597,30.048 C1.2@23.571,30.074
NetC12_2: C12.2 U1.7 | length 2
  Top Layer w0.254: C12.2@22.708,30.175 22.708,29.804 22.758,29.753 U1.7
NetC13_1: C13.1 L2.1 U2.5 | length 2.8
  Top Layer w0.254: C13.1 32.004,49.113 L2.1@32.004,51.638
NetC13_2: C13.2 U2.6 | length 2.3
  Top Layer w0.254: C13.2@33.198,48.641 33.249,48.59 34.112,48.59 34.497,48.205 U2.6
NetC24_2: C24.2 U2.7 | length 2.2
  Top Layer w0.254: C24.2@33.198,47.574 33.329,47.705 U2.7
NetC25_1: C25.1 L3.1 U3.5 | length 4.6
  Top Layer w0.254: 12.497,55.753 12.685,55.564 C25.1 ; U3.5 16.405,55.445 L3.1@16.408,55.448
NetC25_2: C25.2 U3.6 | length 2.5
  Top Layer w0.254: C25.2@14.072,53.264 14.173,53.162 15.316,53.162 15.689,52.789 16.393,52.789 U3.6
NetC33_2: C33.2 U3.7 | length 2.6
  Top Layer w0.254: C33.2@13.894,51.994 13.995,52.095 14.808,52.095 14.99,52.277 U3.7
NetC42_1: C42.1 R29.1 U5.C1 | length 4.7
  Top Layer w0.178: C42.1@23.317,78.918 23.382,78.918 24.743,77.557 U5.C1
  Top Layer w0.254: R29.1 C42.1@23.216,79.172
NetC42_2: C42.2 R28.1 U5.D1 | length 3.8
  Top Layer w0.178: C42.2@23.368,77.673 24.13,77.673 24.343,77.46 U5.D1
  Top Layer w0.254: R28.1@21.59,77.699 23.179,77.699 C42.2
NetC43_1: C43.1 R31.1 U5.B1 | length 4.7
  Top Layer w0.178: U5.B1 25.143,77.608 26.441,78.906 C43.1@26.441,79.019
  Top Layer w0.254: C43.1 26.782,79.197 R31.1
NetC43_2: C43.2 R30.1 U5.A1 | length 3.8
  Top Layer w0.152: C43.2@26.772,77.8 C43.2@26.924,77.648
  Top Layer w0.178: U5.A1 25.543,77.46 25.806,77.724 26.645,77.724 C43.2@26.695,77.673
  Top Layer w0.254: C43.2@26.924,77.648 R30.1
NetC46_1: C46.1 R33.1 R34.2 | length 4.3
  Top Layer w0.208: R33.1@36.195,81.864 36.274,81.943 37.363,81.943 ; C46.1@37.363,83.845 C46.1 37.363,81.943 ; R34.2 37.363,81.943
NetD1_1: D1.1 J1.14 R34.1 U4.6 | length 19.5
  Top Layer w0.208: J1.14 37,94.172 38.013,93.158 D1.1 38.038,88.377 38.21,88.206 38.21,88.181 39.664,86.727 39.664,80 38.887,79.223 R34.1@38.887,79.07 ; R34.1@39.014,78.791 39.04,78.765 40.488,78.765 40.716,78.994 U4.6
NetD1_2: D1.2 J1.13 R33.2 U4.7 | length 20.5
  Top Layer w0.208: R33.2@35.89,79.121 35.89,79.172 35.052,80.011 35.052,86.741 36.688,88.377 D1.2 36.713,90.151 37,90.438 J1.13 ; R33.2@36.093,79.096 36.417,79.096 37.789,77.724 U4.7
NetD2_1: D2.1 R25.1 | length 2.7
  Top Layer w0.305: D2.1@32.842,6.401 32.861,6.419 D2.1 R25.1
NetD3_1: D3.1 R26.1 | length 2.5
  Top Layer w0.305: D3.1 35.861,8.835 R26.1@35.941,8.915
NetD4_1: D4.1 R27.1 | length 2.7
  Top Layer w0.203: D4.1 38.861,6.427 D4.1@38.913,6.375
  Top Layer w0.305: D4.1 R27.1
NetD5_1: D5.1 R32.1 | length 2.5
  Top Layer w0.305: D5.1@41.783,6.579 41.861,6.656 R32.1
NetJ1_17: J1.17 R22.1 | length 4.4
  Top Layer w0.208: R22.1@40.97,87.909 R22.1@41,87.939
  Top Layer w0.305: R22.1@41,87.939 J1.17
NetJ1_18: J1.18 P9.1 U6.17 | length 77.6
  Top Layer w0.305: J1.18 42.012,93.238 42.012,85.979 43.663,84.328 63.094,84.328 71.399,76.022 71.399,51.714 73.609,49.505 U6.17@75.006,49.505 ; U6.17@74.93,49.632 75.006,49.555 77.775,49.555 78.308,49.022 P9.1 ; U6.17@75.209,49.505 U6.17@75.286,49.428
NetJ1_19: J1.19 P9.2 U6.18 | length 72.6
  Top Layer w0.305: J1.19 43,85.956 44.044,84.912 63.678,84.912 72.187,76.403 72.187,53.391 73.533,52.045 U6.18@75.209,52.045 ; U6.18@75.209,51.587 U6.18@75.209,52.045 ; P9.2 78.461,51.562 77.978,52.045 U6.18 U6.18@75.209,52.045
NetJ1_20: J1.20 P9.3 U6.19 | length 71.1
  Top Layer w0.305: J1.20 44.018,93.232 44.018,85.801 44.323,85.496 64.135,85.496 73.05,76.581 73.05,55.88 74.346,54.585 U6.19 78.003,54.585 78.562,54.026 P9.3@80.924,54.026
NetJ1_21: J1.21 R13.1 | length 4.4
  Top Layer w0.203: J1.21 45,87.817 R13.1@45.009,87.808
NetJ1_22: J1.22 R14.1 | length 6.9
  Top Layer w0.203: J1.22 46.025,93.225 46.025,89.687 46.533,89.179 R14.1 46.533,88.036 R14.1@46.507,88.011
NetJ1_23: J1.23 R15.1 | length 4.6
  Top Layer w0.203: J1.23 47,90.389 48.082,89.306 R15.1 R15.1@48.082,88.062
NetJ1_24: J1.24 R16.1 | length 7.2
  Top Layer w0.203: J1.24 48.006,93.244 48.006,90.932 49.632,89.306 R16.1@49.632,88.113
NetJ1_25: J1.25 R17.1 | length 5.1
  Top Layer w0.208: J1.25 49.026,92.224 49.026,91.131 51.181,88.976 R17.1
NetJ1_26: J1.26 R19.1 | length 7.6
  Top Layer w0.208: J1.26 50.013,93.237 50.013,91.516 52.705,88.824 R19.1@52.705,88.163
NetJ1_27: J1.27 R20.1 | length 5.7
  Top Layer w0.208: J1.27 54.305,88.945 R20.1@54.305,87.909
NetJ1_28: J1.28 R21.1 | length 8
  Top Layer w0.208: J1.28 55.855,89.395 R21.1@55.855,88.24
NetP1_2: P1.2 R12.2 U6.2 | length 93.7
  Top Layer w0.305: R12.2 62.992,72.974 66.827,69.139 66.827,20.041 75.463,11.405 76.708,11.405 79.375,8.738 P1.2
NetP1_3: P1.3 U4.1 U6.3 | length 91.9
  Top Layer w0.305: U4.1 65.176,76.454 68.097,73.533 68.097,21.209 U6.3 76.784,13.945 79.451,11.278 P1.3 81.28,11.278 P1.3@81.432,11.125
NetP1_4: P1.4 U4.4 U6.4 | length 91.3
  Top Layer w0.305: U4.4 62.459,80.264 68.859,73.863 68.859,22.987 U6.4 ; U6.4@75.387,16.408 75.463,16.485 76.962,16.485 79.629,13.818 P1.4
NetP2_3: P2.3 U6.46 | length 7.2
  Top Layer w0.305: P2.3@54.102,11.074 54.127,11.1 P2.3 57.277,11.1 U6.46
NetP2_4: P2.4 U6.45 | length 7.2
  Top Layer w0.305: P2.4@54.153,13.741 54.254,13.64 57.277,13.64 U6.45
NetP3_1: P3.1 U6.5 | length 6.7
  Top Layer w0.305: U6.5 77.013,19.025 79.146,16.891 P3.1
NetP3_2: P3.2 U6.6 | length 6.9
  Top Layer w0.305: U6.6@75.209,21.488 75.286,21.565 U6.6 77.089,21.565 79.223,19.431 P3.2
NetP3_3: P3.3 U6.7 | length 6.6
  Top Layer w0.305: U6.7 76.886,24.105 79.019,21.971 81.026,21.971 P3.3@81.077,22.022
NetP3_4: P3.4 U6.8 | length 6.7
  Top Layer w0.305: U6.8 77.419,26.645 79.553,24.511 P3.4
NetP4_1: P4.1 U6.44 | length 7
  Top Layer w0.305: P4.1@54.051,16.713 57.81,16.713 U6.44
NetP4_2: P4.2 U6.43 | length 7
  Top Layer w0.305: P4.2 57.836,19.279 60.02,21.463 U6.43@60.02,21.692
NetP4_3: P4.3 U6.42 | length 6.9
  Top Layer w0.305: P4.3@54.178,21.819 57.836,21.819 U6.42
NetP4_4: P4.4 U6.41 | length 6.9
  Top Layer w0.305: P4.4 57.836,24.359 59.893,26.416 U6.41@60.223,26.416
NetP5_1: P5.1 U6.9 | length 6.5
  Top Layer w0.305: U6.9 77.597,29.185 79.172,27.61 P5.1
NetP5_2: P5.2 U6.10 | length 6.7
  Top Layer w0.305: U6.10@75.159,31.826 75.26,31.725 U6.10 77.927,31.725 79.502,30.15 P5.2
NetP5_3: P5.3 U6.11 | length 6.7
  Top Layer w0.305: U6.11 77.394,34.265 78.969,32.69 P5.3 81.229,32.69 P5.3@81.356,32.563
NetP5_4: P5.4 U6.12 | length 6.2
  Top Layer w0.305: U6.12@75.59,36.754 77.419,36.754 78.943,35.23 P5.4
NetP6_1: P6.1 U6.40 | length 6.8
  Top Layer w0.305: P6.1@54.026,27.508 58.445,27.508 U6.40
NetP6_2: P6.2 U6.39 | length 6.6
  Top Layer w0.305: P6.2@54.28,29.921 54.356,29.997 58.395,29.997 U6.39
NetP6_3: P6.3 U6.38 | length 6.8
  Top Layer w0.305: P6.3@54.026,32.537 P6.3 58.395,32.537 U6.38
NetP6_4: P6.4 U5.D3 U6.37 | length 68.1
  Top Layer w0.152: 24.343,74.051 U5.D3
  Top Layer w0.305: 24.343,74.051 24.343,70.628 25.629,69.342 v1(27.457,69.342) ; P6.4@54.229,35.027 54.28,35.077 58.395,35.077 U6.37
  Bottom Layer w0.305: v1(27.457,69.342) 40.691,69.342 47.523,62.509 47.523,41.716 53.873,35.366 P6.4@53.873,35.154
NetP7_1: P7.1 U6.13 | length 6.2
  Top Layer w0.305: U6.13@75.387,39.294 77.546,39.294 78.511,38.329 P7.1
NetP7_2: P7.2 U6.14 | length 6.2
  Top Layer w0.305: U6.14 77.673,41.885 78.689,40.869 P7.2
NetP7_3: P7.3 U6.15 | length 6.1
  Top Layer w0.305: U6.15@75.438,44.399 77.622,44.399 78.613,43.409 P7.3
NetP7_4: P7.4 R22.2 U6.16 | length 72.8
  Top Layer w0.305: R22.2 40.996,86.004 43.332,83.668 62.459,83.668 70.637,75.489 70.637,49.327 73,46.965 U6.16 ; U6.16@75.514,47.066 75.59,46.99 77.978,46.99 79.019,45.949 P7.4
NetP8_1: P8.1 U5.A3 U6.36 | length 65.1
  Top Layer w0.152: 25.543,74.066 U5.A3
  Top Layer w0.305: 25.543,74.066 25.543,71.028 26.111,70.46 v1(26.899,70.46) ; P8.1@54.229,38.125 58.903,38.125 U6.36
  Bottom Layer w0.305: v1(26.899,70.46) 26.911,70.472 41.846,70.472 49.098,63.221 49.098,43.24 54.026,38.312 P8.1@54.026,37.948
NetP8_2: P8.2 R32.2 U6.35 | length 76
  Top Layer w0.305: R32.2@41.91,10.389 43.79,10.389 44.552,9.627 44.552,3.886 45.593,2.845 63.094,2.845 63.678,3.429 63.678,40.31 62.103,41.885 U6.35 58.953,40.716 P8.2
NetP8_4: P8.4 U6.33 | length 6.6
  Top Layer w0.305: P8.4@54.051,45.745 54.102,45.796 P8.4 58.953,45.796 U6.33
NetP9_4: P9.4 U6.20 | length 6.3
  Top Layer w0.305: U6.20 77.445,57.125 77.978,56.591 81.356,56.591 P9.4@81.382,56.566
NetP10_1: P10.1 U6.32 | length 6
  Top Layer w0.305: P10.1@54.381,48.895 56.987,48.895 57.596,49.505 U6.32
NetP10_2: P10.2 U6.31 | length 6
  Top Layer w0.305: P10.2@54.407,51.46 56.976,51.46 57.56,52.045 U6.31
NetP10_3: P10.3 U6.30 | length 6.5
  Top Layer w0.305: P10.3@53.924,54.026 54,53.95 57.379,53.95 58.014,54.585 U6.30
NetP10_4: P10.4 U6.29 | length 6.2
  Top Layer w0.305: P10.4 57.328,56.515 57.937,57.125 U6.29
NetP11_1: P11.1 U6.28 | length 5.9
  Top Layer w0.305: P11.1@54.178,59.665 U6.28
NetP11_2: P11.2 U6.27 | length 6.2
  Top Layer w0.305: P11.2 54.183,62.183 60.194,62.183 U6.27@60.274,62.103
NetP11_3: P11.3 U6.26 | length 6.2
  Top Layer w0.305: P11.3@53.924,64.745 53.945,64.723 60.101,64.723 U6.26
NetP11_4: P11.4 U6.25 | length 6.1
  Top Layer w0.305: P11.4 54.183,67.263 60.05,67.263 U6.25@60.173,67.386
NetP12_1: P12.1 U6.21 | length 6
  Top Layer w0.305: U6.21 P12.1@81.331,59.665
NetP12_2: P12.2 U6.22 | length 5.8
  Top Layer w0.305: U6.22@75.413,62.179 75.463,62.23 81.136,62.23 P12.2
NetP12_3: P12.3 U6.23 | length 5.7
  Top Layer w0.305: U6.23 75.387,64.77 81.001,64.77 P12.3@81.051,64.719
NetP12_4: P12.4 U6.24 | length 5.8
  Top Layer w0.305: U6.24@75.387,67.335 75.413,67.31 81.136,67.31 P12.4
NetR1_2: R1.2 U1.2 | length 3.3
  Top Layer w0.254: R1.2 21.169,26.833 21.793,27.457 22.504,27.457 22.735,27.226 22.735,26.693 U1.2@22.758,26.67
NetR2_1: R2.1 R3.2 U1.8 | length 5.2
  Top Layer w0.254: R3.2 R2.1@20.818,30.211 ; R2.1@20.726,30.15 20.726,29.515 21.133,29.108 21.88,29.108 22.235,28.753 22.235,28.107 U1.8@22.276,28.067 ; R2.1 R2.1@20.818,30.211 ; R2.1@21.125,29.913 20.827,30.211 R2.1@20.818,30.211
NetR4_2: R4.2 U2.2 | length 3.2
  Top Layer w0.254: R4.2 36.41,45.647 36.41,46.064 36.043,46.431 36.043,47.346 36.379,47.682 36.786,47.682 U2.2@36.83,47.727
NetR5_1: R5.1 R6.2 U2.8 | length 5.1
  Top Layer w0.254: R5.1@32.969,45.72 R5.1@33.06,45.72 ; R6.2@33.045,44.069 33.06,44.084 R5.1@33.06,45.72 ; R5.1 R5.1@33.06,45.72 ; U2.8 34.49,47.205 34.341,47.056 34.341,46.228 33.833,45.72 R5.1@33.06,45.72
NetR7_1: R7.1 R10.2 U3.8 | length 5.2
  Top Layer w0.254: R7.1@13.868,50.241 R7.1@13.883,50.241 ; R7.1 R7.1@13.883,50.241 ; R10.2@13.894,48.743 13.883,48.753 R7.1@13.883,50.241 ; U3.8 15.455,51.777 15.215,51.537 15.215,50.622 14.834,50.241 R7.1@13.883,50.241
NetR8_1: R8.1 R9.1 R11.2 U3.2 | length 6.4
  Top Layer w0.254: R11.2@17.704,49.936 17.77,49.871 R9.1 ; R8.1@17.77,46.939 R9.1 ; R11.2 17.472,50.412 17.472,50.956 17.145,51.283 17.145,52.045 17.355,52.254 17.888,52.254 U3.2@17.932,52.299 ; R9.1@17.856,48.311 17.77,48.397 R9.1
NetR12_1: R12.1 R18.2 U4.8 | length 6.2
  Top Layer w0.305: R12.1@41.529,72.898 41.489,72.938 R18.2 40.411,74.651 40.107,74.955 40.107,76.048 40.513,76.454 U4.8

## Polygon pours and split planes (outlines as drawn)
GND on Top Layer "Top Layer-GND" (solid, remove dead copper, pour order 42): 0,0 100,0 100,100 0,100
NetC25_1 on Top Layer "NETC25_1_L01_P041" (solid, remove dead copper, pour order 41): 16.739,53.137 16.739,53.899 17.78,54.94 19.253,54.94 19.253,55.829 12.04,55.829 12.04,54.788 12.141,54.686 14.859,54.686 15.621,53.924 15.621,53.34 15.824,53.137
NetC13_1 on Top Layer "NETC13_1_L01_P040" (solid, pour order 40): 34.823,48.539 34.366,48.997 34.366,49.454 33.985,49.835 32.055,49.835 31.674,50.216 31.674,52.984 36.195,52.984 36.195,49.581 35.636,49.022 35.636,48.539
NetC1_1 on Top Layer "NETC1_1_L01_P039" (solid, pour order 39): 23.597,28.651 24.054,29.108 24.511,29.108 24.892,29.489 24.892,31.42 25.171,31.699 27.762,31.699 27.762,27.178 24.74,27.178 24.079,27.838 23.597,27.838
+5V on Top Layer "+5V_L01_P035" (solid, pour order 35): 33.147,31.699 33.147,27.178 36.068,27.178 36.373,27.483 41.758,27.483 41.758,31.394 36.373,31.394 36.068,31.699
+12_Supply on Top Layer "+12_SUPPLY_L01_P037" (solid, pour order 37): 13.792,63.221 13.792,66.599 17.475,66.599 17.475,63.221 18.517,62.179 19.253,62.179 19.253,59.614 19.228,59.588 18.136,59.588 18.136,61.214 13.157,61.214 13.157,59.614 12.065,59.614 12.065,62.128 12.04,62.154 12.903,62.154
+ShorePower on Top Layer "+ShorePower5V" (solid, pour order 36): 21.234,45.796 21.234,51.308 20.853,51.689 20.853,52.934 17.551,52.934 17.551,52.629 18.44,52.629 19.05,52.019 19.05,45.796
+5_Supply on Top Layer "+5_SUPPLY_L01_P034" (solid, pour order 34): 31.674,58.369 36.195,58.369 36.195,61.29 35.89,61.595 35.89,66.98 31.979,66.98 31.979,61.595 31.674,61.29
+ShorePower on Top Layer "+ShorePower5V" (solid, pour order 33): 16.281,23.368 21.793,23.368 22.174,23.749 23.419,23.749 23.419,27.051 23.114,27.051 23.114,26.162 22.504,25.552 16.281,25.552
+ShorePower on Top Layer "+ShorePower5V" (solid, pour order 32): 40.132,41.224 40.132,46.736 39.751,47.117 39.751,48.362 36.449,48.362 36.449,48.057 37.338,48.057 37.948,47.447 37.948,41.224
+ShorePower on Top Layer "Top Layer-+12_Supply" (solid, remove dead copper, pour order 25): 25.756,91.897 25.349,91.491 18.288,91.491 18.288,92.964 22.504,92.964 24.562,95.021 25.324,95.021 25.756,94.59
GND on Bottom Layer "Bot Layer- GND" (solid, remove dead copper, pour order 31): 0,0 100,0 100,100 0,100

## Other copper
Top Layer:
  pour cut-out: 51.181,94.666 40.767,94.666 40.767,94.945 51.181,94.945
  pour cut-out: 55.626,88.646 45.212,88.646 45.212,88.925 55.626,88.925

## Silkscreen, mask and mechanical layers (free items; w line width, h text height)
Top Overlay:
  circle w0.15: c5,5 r3
  circle w0.15: c5,95 r3
  circle w0.15: c95,95 r3
  circle w0.15: c95,5 r3
  text "BRICKWORKS 2021 / REV 1A 03/22/2021 / MATTHEW GLAZER" at 62.484,90.805 h1.52
Mechanical 1:
  the board outline again, w0.254

## Text inside footprints (layer, text, board x,y; h text height)
J1: Top Overlay "28" at 53.702,93.996 h0.51; Top Overlay "27" at 53.702,91.964 h0.51; Top Overlay "2" at 22.073,95.504 h0.51; Top Overlay "1" at 22.206,91.964 h0.51